# Altium PCB SkayboardAgain.PcbDoc (part 1 of 4) (continued)
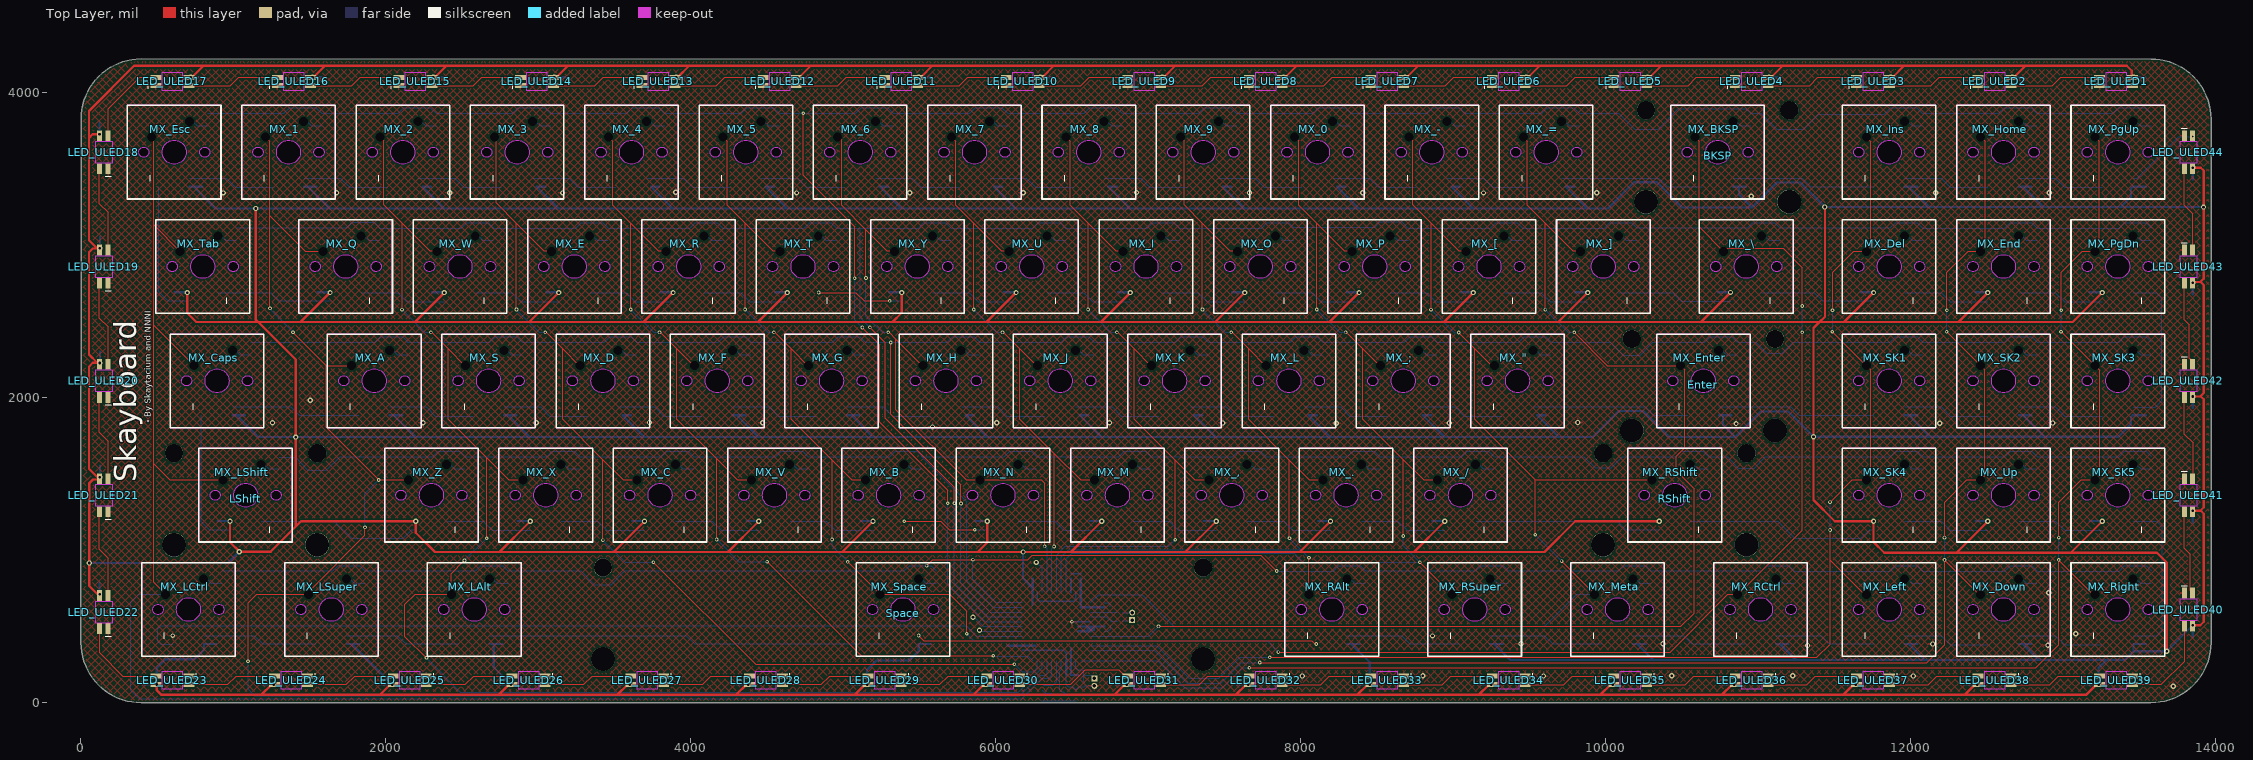
[diagram p0: Top Layer view]
## Design rules (kind name [scope] priority, off if disabled: settings) (continued)
RoomDefinition LCtrl [InComponentClass('LCtrl')] p83: confinementstyle=ConfineIn formatcopy=FALSE lockcomponents=FALSE outline 382.89,289.17 382.89,933.35 1027.06,933.35 1027.06,289.17
RoomDefinition LAlt [InComponentClass('LAlt')] p84: confinementstyle=ConfineIn formatcopy=FALSE lockcomponents=FALSE outline 2257.9,289.17 2257.9,933.35 2902.07,933.35 2902.07,289.17
RoomDefinition L [InComponentClass('L')] p85: confinementstyle=ConfineIn formatcopy=FALSE lockcomponents=FALSE outline 7601.66,1789.17 7601.66,2433.35 8245.83,2433.35 8245.83,1789.17
RoomDefinition K [InComponentClass('K')] p86: confinementstyle=ConfineIn formatcopy=FALSE lockcomponents=FALSE outline 6851.66,1789.17 6851.66,2433.35 7495.83,2433.35 7495.83,1789.17
RoomDefinition J [InComponentClass('J')] p87: confinementstyle=ConfineIn formatcopy=FALSE lockcomponents=FALSE outline 6101.66,1789.17 6101.66,2433.35 6745.83,2433.35 6745.83,1789.17
RoomDefinition Ins [InComponentClass('Ins')] p88: confinementstyle=ConfineIn formatcopy=FALSE lockcomponents=FALSE outline 11539.21,3289.23 11539.21,3933.4 12183.39,3933.4 12183.39,3289.23
RoomDefinition I [InComponentClass('I')] p89: confinementstyle=ConfineIn formatcopy=TRUE lockcomponents=FALSE outline 6664.21,2539.17 6664.21,3183.35 7308.39,3183.35 7308.39,2539.17
RoomDefinition Home [InComponentClass('Home')] p90: confinementstyle=ConfineIn formatcopy=FALSE lockcomponents=FALSE outline 12289.21,3289.23 12289.21,3933.4 12933.39,3933.4 12933.39,3289.23
RoomDefinition G [InComponentClass('G')] p91: confinementstyle=ConfineIn formatcopy=FALSE lockcomponents=FALSE outline 4601.66,1789.17 4601.66,2433.35 5245.83,2433.35 5245.83,1789.17
RoomDefinition F [InComponentClass('F')] p92: confinementstyle=ConfineIn formatcopy=FALSE lockcomponents=FALSE outline 3851.66,1789.17 3851.66,2433.35 4495.83,2433.35 4495.83,1789.17
RoomDefinition Esc [InComponentClass('Esc')] p93: confinementstyle=ConfineIn formatcopy=FALSE lockcomponents=FALSE outline 289.2,3289.23 289.2,3933.4 933.37,3933.4 933.37,3289.23
RoomDefinition Enter [InComponentClass('Enter')] p94: confinementstyle=ConfineIn formatcopy=FALSE lockcomponents=FALSE outline 10320.4,1789.17 10320.4,2433.35 10964.57,2433.35 10964.57,1789.17
RoomDefinition End [InComponentClass('End')] p95: confinementstyle=ConfineIn formatcopy=TRUE lockcomponents=FALSE outline 12289.21,2539.17 12289.21,3183.35 12933.39,3183.35 12933.39,2539.17
RoomDefinition E [InComponentClass('E')] p96: confinementstyle=ConfineIn formatcopy=TRUE lockcomponents=FALSE outline 2914.2,2539.17 2914.2,3183.35 3558.37,3183.35 3558.37,2539.17
RoomDefinition Down [InComponentClass('Down')] p97: confinementstyle=ConfineIn formatcopy=FALSE lockcomponents=FALSE outline 12289.21,289.17 12289.21,933.35 12933.39,933.35 12933.39,289.17
RoomDefinition Del [InComponentClass('Del')] p98: confinementstyle=ConfineIn formatcopy=TRUE lockcomponents=FALSE outline 11539.21,2539.17 11539.21,3183.35 12183.39,3183.35 12183.39,2539.17
RoomDefinition D [InComponentClass('D')] p99: confinementstyle=ConfineIn formatcopy=FALSE lockcomponents=FALSE outline 3101.65,1789.17 3101.65,2433.35 3745.82,2433.35 3745.82,1789.17
RoomDefinition Caps [InComponentClass('Caps')] p100: confinementstyle=ConfineIn formatcopy=FALSE lockcomponents=FALSE outline 570.39,1789.17 570.39,2433.35 1214.56,2433.35 1214.56,1789.17
RoomDefinition C [InComponentClass('C')] p101: confinementstyle=ConfineIn formatcopy=TRUE lockcomponents=FALSE outline 3476.66,1039.17 3476.66,1683.35 4120.83,1683.35 4120.83,1039.17
RoomDefinition BKSP [InComponentClass('BKSP')] p102: confinementstyle=ConfineIn formatcopy=FALSE lockcomponents=FALSE outline 10414.21,3289.23 10414.21,3933.4 11058.39,3933.4 11058.39,3289.23
RoomDefinition A [InComponentClass('A')] p103: confinementstyle=ConfineIn formatcopy=FALSE lockcomponents=FALSE outline 1601.65,1789.17 1601.65,2433.35 2245.82,2433.35 2245.82,1789.17
RoomDefinition = [InComponentClass('=')] p104: confinementstyle=ConfineIn formatcopy=FALSE lockcomponents=FALSE outline 9289.21,3289.23 9289.21,3933.4 9933.39,3933.4 9933.39,3289.23
RoomDefinition ; [InComponentClass(';')] p105: confinementstyle=ConfineIn formatcopy=FALSE lockcomponents=FALSE outline 8351.66,1789.17 8351.66,2433.35 8995.83,2433.35 8995.83,1789.17
RoomDefinition 9 [InComponentClass('9')] p106: confinementstyle=ConfineIn formatcopy=FALSE lockcomponents=FALSE outline 7039.21,3289.23 7039.21,3933.4 7683.39,3933.4 7683.39,3289.23
RoomDefinition 8 [InComponentClass('8')] p107: confinementstyle=ConfineIn formatcopy=FALSE lockcomponents=FALSE outline 6289.14,3289.23 6289.14,3933.4 6933.31,3933.4 6933.31,3289.23
RoomDefinition 7 [InComponentClass('7')] p108: confinementstyle=ConfineIn formatcopy=FALSE lockcomponents=FALSE outline 5539.14,3289.23 5539.14,3933.4 6183.31,3933.4 6183.31,3289.23
RoomDefinition 6 [InComponentClass('6')] p109: confinementstyle=ConfineIn formatcopy=FALSE lockcomponents=FALSE outline 4789.21,3289.23 4789.21,3933.4 5433.39,3933.4 5433.39,3289.23
RoomDefinition 5 [InComponentClass('5')] p110: confinementstyle=ConfineIn formatcopy=FALSE lockcomponents=FALSE outline 4039.14,3289.23 4039.14,3933.4 4683.31,3933.4 4683.31,3289.23
RoomDefinition 4 [InComponentClass('4')] p111: confinementstyle=ConfineIn formatcopy=FALSE lockcomponents=FALSE outline 3289.06,3289.23 3289.06,3933.4 3933.23,3933.4 3933.23,3289.23
RoomDefinition 3 [InComponentClass('3')] p112: confinementstyle=ConfineIn formatcopy=FALSE lockcomponents=FALSE outline 2539.12,3289.23 2539.12,3933.4 3183.3,3933.4 3183.3,3289.23
RoomDefinition 2 [InComponentClass('2')] p113: confinementstyle=ConfineIn formatcopy=FALSE lockcomponents=FALSE outline 1789.12,3289.23 1789.12,3933.4 2433.3,3933.4 2433.3,3289.23
RoomDefinition 1 [InComponentClass('1')] p114: confinementstyle=ConfineIn formatcopy=FALSE lockcomponents=FALSE outline 1039.12,3289.23 1039.12,3933.4 1683.3,3933.4 1683.3,3289.23
RoomDefinition 0 [InComponentClass('0')] p115: confinementstyle=ConfineIn formatcopy=FALSE lockcomponents=FALSE outline 7789.21,3289.23 7789.21,3933.4 8433.39,3933.4 8433.39,3289.23
RoomDefinition / [InComponentClass('/')] p116: confinementstyle=ConfineIn formatcopy=TRUE lockcomponents=FALSE outline 8726.66,1039.17 8726.66,1683.35 9370.83,1683.35 9370.83,1039.17
RoomDefinition . [InComponentClass('.')] p117: confinementstyle=ConfineIn formatcopy=TRUE lockcomponents=FALSE outline 7976.66,1039.17 7976.66,1683.35 8620.83,1683.35 8620.83,1039.17
RoomDefinition - [InComponentClass('-')] p118: confinementstyle=ConfineIn formatcopy=FALSE lockcomponents=FALSE outline 8539.21,3289.23 8539.21,3933.4 9183.39,3933.4 9183.39,3289.23
RoomDefinition , [InComponentClass(',')] p119: confinementstyle=ConfineIn formatcopy=TRUE lockcomponents=FALSE outline 7226.66,1039.17 7226.66,1683.35 7870.83,1683.35 7870.83,1039.17
RoomDefinition "\"" [InComponentClass('"')] p120: confinementstyle=ConfineIn formatcopy=FALSE lockcomponents=FALSE outline 9101.66,1789.17 9101.66,2433.35 9745.83,2433.35 9745.83,1789.17
RoomDefinition Skayboard [InComponentClass('Skayboard')] p121: confinementstyle=ConfineIn formatcopy=TRUE lockcomponents=FALSE outline 6022.52,347.27 6022.52,400.73 6105.55,400.73 6105.55,794.45 6215.27,794.45 6215.27,872.48 6467.27,872.48 6520.73,872.48 6586.73,872.48 6586.73,794.45 6694.45,794.45 6694.45,684.48 6739.73,684.48 6739.73,652.02 6780.88,652.02 6780.88,640.37 6945.37,640.37 6945.37,491.63 6780.73,491.63 6780.73,477.52 6739.73,477.52 6739.73,441.52 6697.37,441.52 6697.37,60.63 6556.67,60.63 6556.67,18.94 6504.87,18.94 6504.87,12.91 6335.13,12.91 6335.13,49.61 6281.33,49.61 6281.33,205.55 6105.55,205.55 6105.55,347.27
RoutingVias [All] p1: holewidth=12 width=24 viastyle="Through Hole" minholewidth=12 minwidth=24 maxholewidth=28 maxwidth=50
SolderMaskExpansion [All] p1: expansion=4 istentingtop=FALSE
UnRoutedNet [All] p1: checkbadconnections=TRUE
Width [All] p1: maxlimit=100 minlimit=5 preferedwidth=7.5 minimp=50.000000 maximp=50.000000 favimp=50.000000
28 further rules are at their usual default settings.

## Classes and differential pairs
channel class ULED: ULED1 ULED2 ULED3 ULED4 ULED5 ULED6 ULED7 ULED8 ULED9 ULED10 ULED11 ULED12 ULED13 ULED14 ULED15 ULED16 ULED17 ULED18 ULED19 ULED20 ULED21 ULED22 ULED23 ULED24 ULED25 ULED26 ULED27 ULED28 ULED29 ULED30 ULED31 ULED32 ULED33 ULED34 ULED35 ULED36 ULED37 ULED38 ULED39 ULED40 ULED41 ULED42 ULED43 ULED44
channel class Skey: 0 1 2 3 4 5 6 7 8 9 "\"" , - . / ; = [ \ ] A B BKSP C Caps D Del Down E End Enter Esc F G H Home I Ins J K L LAlt LCtrl Left LShift LSuper M Meta N O P PgDn PgUp Q R RAlt RCtrl Right RShift RSuper S SK1 SK2 SK3 SK4 SK5 Space T Tab U Up V W X Y Z
component class ULED44: C_ULED44 LED_ULED44
component class ULED43: C_ULED43 LED_ULED43
component class ULED42: C_ULED42 LED_ULED42
component class ULED41: C_ULED41 LED_ULED41
component class ULED40: C_ULED40 LED_ULED40
component class ULED39: C_ULED39 LED_ULED39
component class ULED38: C_ULED38 LED_ULED38
component class ULED37: C_ULED37 LED_ULED37
component class ULED36: C_ULED36 LED_ULED36
component class ULED35: C_ULED35 LED_ULED35
component class ULED34: C_ULED34 LED_ULED34
component class ULED33: C_ULED33 LED_ULED33
component class ULED32: C_ULED32 LED_ULED32
component class ULED31: C_ULED31 LED_ULED31
component class ULED30: C_ULED30 LED_ULED30
component class ULED29: C_ULED29 LED_ULED29
component class ULED28: C_ULED28 LED_ULED28
component class ULED27: C_ULED27 LED_ULED27
component class ULED26: C_ULED26 LED_ULED26
component class ULED25: C_ULED25 LED_ULED25
component class ULED24: C_ULED24 LED_ULED24
component class ULED23: C_ULED23 LED_ULED23
component class ULED22: C_ULED22 LED_ULED22
component class ULED21: C_ULED21 LED_ULED21
component class ULED20: C_ULED20 LED_ULED20
component class ULED19: C_ULED19 LED_ULED19
component class ULED18: C_ULED18 LED_ULED18
component class ULED17: C_ULED17 LED_ULED17
component class ULED16: C_ULED16 LED_ULED16
component class ULED15: C_ULED15 LED_ULED15
component class ULED14: C_ULED14 LED_ULED14
component class ULED13: C_ULED13 LED_ULED13
component class ULED12: C_ULED12 LED_ULED12
component class ULED11: C_ULED11 LED_ULED11
component class ULED10: C_ULED10 LED_ULED10
component class ULED9: C_ULED9 LED_ULED9
component class ULED8: C_ULED8 LED_ULED8
component class ULED7: C_ULED7 LED_ULED7
component class ULED6: C_ULED6 LED_ULED6
component class ULED5: 90 C_ULED5 LED_ULED5
component class ULED4: 90 C_ULED4 LED_ULED4
component class ULED3: 90 C_ULED3 LED_ULED3
component class ULED2: 90 C_ULED2 LED_ULED2
component class ULED1: C_ULED1 LED_ULED1
component class Esc: C_Esc D_Esc LED_Esc MX_Esc
component class 1: C_1 D_1 LED_1 MX_1
component class 2: C_2 D_2 LED_2 MX_2
component class 3: C_3 D_3 LED_3 MX_3
component class 4: C_4 D_4 LED_4 MX_4
component class 5: C_5 D_5 LED_5 MX_5
component class 6: C_6 D_6 LED_6 MX_6
component class 7: C_7 D_7 LED_7 MX_7
component class 8: C_8 D_8 LED_8 MX_8
component class 9: C_9 D_9 LED_9 MX_9
component class 0: C_0 D_0 LED_0 MX_0
component class -: C_- D_- LED_- MX_-
component class =: C_= D_= LED_= MX_=
component class BKSP: C_BKSP D_BKSP LED_BKSP MX_BKSP
component class Ins: C_Ins D_Ins LED_Ins MX_Ins
component class Home: C_Home D_Home LED_Home MX_Home
component class PgUp: C_PgUp D_PgUp LED_PgUp MX_PgUp
component class Q: C_Q D_Q LED_Q MX_Q
component class W: C_W D_W LED_W MX_W
component class E: C_E D_E LED_E MX_E
component class R: C_R D_R LED_R MX_R
component class T: C_T D_T LED_T MX_T
component class Y: C_Y D_Y LED_Y MX_Y
component class U: C_U D_U LED_U MX_U
component class I: C_I D_I LED_I MX_I
component class O: C_O D_O LED_O MX_O
component class P: C_P D_P LED_P MX_P
component class [: C_[ D_[ LED_[ MX_[
component class ]: C_] D_] LED_] MX_]
component class \: C_\ D_\ LED_\ MX_\
component class Del: C_Del D_Del LED_Del MX_Del
component class End: C_End D_End LED_End MX_End
component class PgDn: C_PgDn D_PgDn LED_PgDn MX_PgDn
component class A: C_A D_A LED_A MX_A
component class S: C_S D_S LED_S MX_S
component class D: C_D D_D LED_D MX_D
component class F: C_F D_F LED_F MX_F
component class G: C_G D_G LED_G MX_G
component class H: C_H D_H LED_H MX_H
component class J: C_J D_J LED_J MX_J
component class K: C_K D_K LED_K MX_K
component class L: C_L D_L LED_L MX_L
component class ;: C_; D_; LED_; MX_;
component class "\"": "C_\"" "D_\"" "LED_\"" "MX_\""
component class Enter: C_Enter D_Enter LED_Enter MX_Enter
component class RCtrl: C_RCtrl D_RCtrl LED_RCtrl MX_RCtrl
component class SK1: C_SK1 D_SK1 LED_SK1 MX_SK1
component class SK2: C_SK2 D_SK2 LED_SK2 MX_SK2
component class SK3: C_SK3 D_SK3 LED_SK3 MX_SK3
component class Z: C_Z D_Z LED_Z MX_Z
component class X: C_X D_X LED_X MX_X
component class C: C_C D_C LED_C MX_C
component class V: C_V D_V LED_V MX_V
component class B: C_B D_B LED_B MX_B
component class N: C_N D_N LED_N MX_N
component class M: C_M D_M LED_M MX_M
component class ,: C_, D_, LED_, MX_,
component class .: C_. D_. LED_. MX_.
component class /: C_/ D_/ LED_/ MX_/
component class RShift: C_RShift D_RShift LED_RShift MX_RShift
component class SK4: C_SK4 D_SK4 LED_SK4 MX_SK4
component class Up: C_Up D_Up LED_Up MX_Up
component class SK5: C_SK5 D_SK5 LED_SK5 MX_SK5
component class LSuper: C_LSuper D_LSuper LED_LSuper MX_LSuper
component class LAlt: C_LAlt D_LAlt LED_LAlt MX_LAlt
component class Space: C_Space D_Space LED_Space MX_Space
component class RAlt: C_RAlt D_RAlt LED_RAlt MX_RAlt
component class RSuper: C_RSuper D_RSuper LED_RSuper MX_RSuper
component class Meta: C_Meta D_Meta LED_Meta MX_Meta
component class Left: C_Left D_Left LED_Left MX_Left
component class Down: C_Down D_Down LED_Down MX_Down
component class Right: C_Right D_Right LED_Right MX_Right
component class Tab: C_Tab D_Tab LED_Tab MX_Tab
component class Caps: C_Caps D_Caps LED_Caps MX_Caps
component class LShift: C_LShift D_LShift LED_LShift MX_LShift
component class LCtrl: C_LCtrl D_LCtrl LED_LCtrl MX_LCtrl
component class Skayboard: *1 C2 C3 C4 C5 C6 C7 C8 C9 C10 C11 c11 C12 C13 R1 R2 R3 RST1 U1 USB1 X1 XTAL

## Components (designator, comment, footprint, x,y, rotation, side; value= is the part's Value field where it differs from the comment)
BKSP "2UStab" 2UStab 10736.3,3611.31 r0 top locked
C2 "100nF" CAPC1005X55X30LL05T10 6494,830 r90 bottom
C3 "47pF" CAPC1005X55X25LL05T10 6754.15,609.54 r90 bottom
C4 "47pF" CAPC1005X55X25LL05T10 6754,520 r90 bottom
C5 "22pF" CAPC1005X56X25NL10T15 6310,98 r90 bottom
C6 "22pF" CAPC1005X56X25NL10T15 6526,67.32 r270 bottom
C7 "100nF" CAPC1005X55X30LL05T10 6242.69,830 r270 bottom
C8 "100nF" CAPC1005X55X30LL05T10 6560,830 r270 bottom
C9 "100nF" CAPC1005X55X30LL05T10 6065,374 r0 bottom
C10 "100nF" CAPC1005X55X30LL05T10 6713,642 r270 bottom
C11 "100nF" CAPC1005X55X30LL05T10 6713,484 r90 bottom
C12 "100nF" CAPC1005X55X30LL05T10 6479,182 r0 bottom
C13 "100nF" CAPC1005X55X30LL05T10 6580,120 r90 bottom
C_0 "100nF" CAPC1005X55X30LL05T10 8310.02,3385 r0 bottom (schematic designator C)
C_1 "100nF" CAPC1005X55X30LL05T10 1559.93,3385 r0 bottom (schematic designator C)
C_2 "100nF" CAPC1005X55X30LL05T10 2309.93,3385 r0 bottom (schematic designator C)
C_3 "100nF" CAPC1005X55X30LL05T10 3059.93,3385 r0 bottom (schematic designator C)
C_4 "100nF" CAPC1005X55X30LL05T10 3809.86,3385 r0 bottom (schematic designator C)
C_5 "100nF" CAPC1005X55X30LL05T10 4559.94,3385 r0 bottom (schematic designator C)
C_6 "100nF" CAPC1005X55X30LL05T10 5310.02,3385 r0 bottom (schematic designator C)
C_7 "100nF" CAPC1005X55X30LL05T10 6059.94,3385 r0 bottom (schematic designator C)
C_8 "100nF" CAPC1005X55X30LL05T10 6809.94,3385 r0 bottom (schematic designator C)
C_9 "100nF" CAPC1005X55X30LL05T10 7560.02,3385 r0 bottom (schematic designator C)
"C_\"" "100nF" CAPC1005X55X30LL05T10 9622.46,1884.95 r0 bottom (schematic designator C)
C_, "100nF" CAPC1005X55X30LL05T10 7365.01,1207 r90 bottom (schematic designator C)
C_- "100nF" CAPC1005X55X30LL05T10 9060.02,3385 r0 bottom (schematic designator C)
C_. "100nF" CAPC1005X55X30LL05T10 8115.01,1207 r90 bottom (schematic designator C)
C_/ "100nF" CAPC1005X55X30LL05T10 8865.01,1207 r90 bottom (schematic designator C)
C_; "100nF" CAPC1005X55X30LL05T10 8872.46,1884.95 r0 bottom (schematic designator C)
C_= "100nF" CAPC1005X55X30LL05T10 9810.02,3385 r0 bottom (schematic designator C)
C_[ "100nF" CAPC1005X55X30LL05T10 9052.57,2707 r90 bottom (schematic designator C)
C_\ "100nF" CAPC1005X55X30LL05T10 10740.01,2707 r90 bottom (schematic designator C)
C_] "100nF" CAPC1005X55X30LL05T10 9802.57,2707 r90 bottom (schematic designator C)
C_A "100nF" CAPC1005X55X30LL05T10 2122.45,1884.95 r0 bottom (schematic designator C)
C_B "100nF" CAPC1005X55X30LL05T10 5114.06,1206.65 r90 bottom (schematic designator C)
C_BKSP "100nF" CAPC1005X55X30LL05T10 10935.02,3385 r0 bottom (schematic designator C)
C_C "100nF" CAPC1005X55X30LL05T10 3615.01,1207 r90 bottom (schematic designator C)
C_Caps "100nF" CAPC1005X55X30LL05T10 1091.19,1884.95 r0 bottom (schematic designator C)
C_D "100nF" CAPC1005X55X30LL05T10 3622.45,1884.95 r0 bottom (schematic designator C)
C_Del "100nF" CAPC1005X55X30LL05T10 11677.57,2707 r90 bottom (schematic designator C)
C_Down "100nF" CAPC1005X55X30LL05T10 12810.02,384.95 r0 bottom (schematic designator C)
C_E "100nF" CAPC1005X55X30LL05T10 3052.56,2707 r90 bottom (schematic designator C)
C_End "100nF" CAPC1005X55X30LL05T10 12427.57,2707 r90 bottom (schematic designator C)
C_Enter "100nF" CAPC1005X55X30LL05T10 10841.2,1884.95 r0 bottom (schematic designator C)
C_Esc "100nF" CAPC1005X55X30LL05T10 810,3385 r0 bottom (schematic designator C)
C_F "100nF" CAPC1005X55X30LL05T10 4372.46,1884.95 r0 bottom (schematic designator C)
C_G "100nF" CAPC1005X55X30LL05T10 5122.46,1884.95 r0 bottom (schematic designator C)
C_H "100nF" CAPC1005X55X30LL05T10 5872.46,1884.95 r0 bottom (schematic designator C)
C_Home "100nF" CAPC1005X55X30LL05T10 12810.02,3385 r0 bottom (schematic designator C)
C_I "100nF" CAPC1005X55X30LL05T10 6802.57,2707 r90 bottom (schematic designator C)
C_Ins "100nF" CAPC1005X55X30LL05T10 12060.02,3385 r0 bottom (schematic designator C)
C_J "100nF" CAPC1005X55X30LL05T10 6622.46,1884.95 r0 bottom (schematic designator C)
C_K "100nF" CAPC1005X55X30LL05T10 7372.46,1884.95 r0 bottom (schematic designator C)
C_L "100nF" CAPC1005X55X30LL05T10 8122.46,1884.95 r0 bottom (schematic designator C)
C_LAlt "100nF" CAPC1005X55X30LL05T10 2778.7,384.95 r0 bottom (schematic designator C)
C_LCtrl "100nF" CAPC1005X55X30LL05T10 903.69,384.95 r0 bottom (schematic designator C)
C_Left "100nF" CAPC1005X55X30LL05T10 12060.02,384.95 r0 bottom (schematic designator C)
C_LShift "100nF" CAPC1005X55X30LL05T10 896.25,1207 r90 bottom (schematic designator C)
C_LSuper "100nF" CAPC1005X55X30LL05T10 1841.2,384.95 r0 bottom (schematic designator C)
C_M "100nF" CAPC1005X55X30LL05T10 6615.01,1207 r90 bottom (schematic designator C)
C_Meta "100nF" CAPC1005X55X30LL05T10 10278.72,384.95 r0 bottom (schematic designator C)
C_N "100nF" CAPC1005X55X30LL05T10 5864.23,1206.65 r90 bottom (schematic designator C)
C_O "100nF" CAPC1005X55X30LL05T10 7552.57,2707 r90 bottom (schematic designator C)
C_P "100nF" CAPC1005X55X30LL05T10 8302.57,2707 r90 bottom (schematic designator C)
C_PgDn "100nF" CAPC1005X55X30LL05T10 13177.57,2707 r90 bottom (schematic designator C)
C_PgUp "100nF" CAPC1005X55X30LL05T10 13560.02,3385 r0 bottom (schematic designator C)
C_Q "100nF" CAPC1005X55X30LL05T10 1552.56,2707 r90 bottom (schematic designator C)
C_R "100nF" CAPC1005X55X30LL05T10 3802.57,2707 r90 bottom (schematic designator C)
C_RAlt "100nF" CAPC1005X55X30LL05T10 8403.72,384.95 r0 bottom (schematic designator C)
C_RCtrl "100nF" CAPC1005X55X30LL05T10 11216.2,384.95 r0 bottom (schematic designator C)
C_Right "100nF" CAPC1005X55X30LL05T10 13560.02,384.95 r0 bottom (schematic designator C)
C_RShift "100nF" CAPC1005X55X30LL05T10 10271.27,1207 r90 bottom (schematic designator C)
C_RSuper "100nF" CAPC1005X55X30LL05T10 9341.2,384.95 r0 bottom (schematic designator C)
C_S "100nF" CAPC1005X55X30LL05T10 2872.45,1884.95 r0 bottom (schematic designator C)
C_SK1 "100nF" CAPC1005X55X30LL05T10 12060.02,1884.95 r0 bottom (schematic designator C)
C_SK2 "100nF" CAPC1005X55X30LL05T10 12810.02,1884.95 r0 bottom (schematic designator C)
C_SK3 "100nF" CAPC1005X55X30LL05T10 13560.02,1884.95 r0 bottom (schematic designator C)
C_SK4 "100nF" CAPC1005X55X30LL05T10 11677.57,1207 r90 bottom (schematic designator C)
C_SK5 "100nF" CAPC1005X55X30LL05T10 13177.57,1207 r90 bottom (schematic designator C)
C_Space "100nF" CAPC1005X55X30LL05T10 5591.2,384.95 r0 bottom (schematic designator C)
C_T "100nF" CAPC1005X55X30LL05T10 4552.57,2707 r90 bottom (schematic designator C)
C_Tab "100nF" CAPC1005X55X30LL05T10 615,2707 r90 bottom (schematic designator C)
C_U "100nF" CAPC1005X55X30LL05T10 6052.57,2707 r90 bottom (schematic designator C)
C_ULED1 "100nF" CAPC1005X55X30LL05T10 13556.67,4102.72 r0 bottom (schematic designator C)
C_ULED2 "100nF" CAPC1005X55X30LL05T10 12759.96,4102.28 r0 bottom (schematic designator C)
C_ULED3 "100nF" CAPC1005X55X30LL05T10 11963.08,4102.28 r0 bottom (schematic designator C)
C_ULED4 "100nF" CAPC1005X55X30LL05T10 11164.67,4102.62 r0 bottom (schematic designator C)
C_ULED5 "100nF" CAPC1005X55X30LL05T10 10368.45,4101.66 r0 bottom (schematic designator C)
C_ULED6 "100nF" CAPC1005X55X30LL05T10 9572.99,4101.38 r0 bottom (schematic designator C)
C_ULED7 "100nF" CAPC1005X55X30LL05T10 8777.46,4101.46 r0 bottom (schematic designator C)
C_ULED8 "100nF" CAPC1005X55X30LL05T10 7979.67,4101.72 r0 bottom (schematic designator C)
C_ULED9 "100nF" CAPC1005X55X30LL05T10 7184.15,4103.05 r0 bottom (schematic designator C)
C_ULED10 "100nF" CAPC1005X55X30LL05T10 6384.67,4102.72 r0 bottom (schematic designator C)
C_ULED11 "100nF" CAPC1005X55X30LL05T10 5587.67,4102.72 r0 bottom (schematic designator C)
C_ULED12 "100nF" CAPC1005X55X30LL05T10 4791.67,4099.72 r0 bottom (schematic designator C)
C_ULED13 "100nF" CAPC1005X55X30LL05T10 3996.67,4103.72 r0 bottom (schematic designator C)
C_ULED14 "100nF" CAPC1005X55X30LL05T10 3196.67,4101.72 r0 bottom (schematic designator C)
C_ULED15 "100nF" CAPC1005X55X30LL05T10 2402.67,4103.72 r0 bottom (schematic designator C)
C_ULED16 "100nF" CAPC1005X55X30LL05T10 1603.67,4102.72 r0 bottom (schematic designator C)
C_ULED17 "100nF" CAPC1005X55X30LL05T10 804.67,4102.72 r0 bottom (schematic designator C)
C_ULED18 "100nF" CAPC1005X55X30LL05T10 121.62,3821.46 r90 bottom (schematic designator C)
C_ULED19 "100nF" CAPC1005X55X30LL05T10 124.28,3072.67 r90 bottom (schematic designator C)
C_ULED20 "100nF" CAPC1005X55X30LL05T10 124.28,2319.67 r90 bottom (schematic designator C)
C_ULED21 "100nF" CAPC1005X55X30LL05T10 124.28,1570.67 r90 bottom (schematic designator C)
C_ULED22 "100nF" CAPC1005X55X30LL05T10 122.24,803.82 r90 bottom (schematic designator C)
C_ULED23 "100nF" CAPC1005X55X30LL05T10 392.33,119.28 r180 bottom (schematic designator C)
C_ULED24 "100nF" CAPC1005X55X30LL05T10 1171.74,119.72 r180 bottom (schematic designator C)
C_ULED25 "100nF" CAPC1005X55X30LL05T10 1950.31,119.72 r180 bottom (schematic designator C)
C_ULED26 "100nF" CAPC1005X55X30LL05T10 2728.88,119.72 r180 bottom (schematic designator C)
C_ULED27 "100nF" CAPC1005X55X30LL05T10 3507.45,119.72 r180 bottom (schematic designator C)
C_ULED28 "100nF" CAPC1005X55X30LL05T10 4286.03,119.72 r180 bottom (schematic designator C)
C_ULED29 "100nF" CAPC1005X55X30LL05T10 5064.6,119.72 r180 bottom (schematic designator C)
C_ULED30 "100nF" CAPC1005X55X30LL05T10 5843.17,119.72 r180 bottom (schematic designator C)
C_ULED31 "100nF" CAPC1005X55X30LL05T10 6768.17,119.72 r180 bottom (schematic designator C)
C_ULED32 "100nF" CAPC1005X55X30LL05T10 7580.28,104.48 r270 bottom (schematic designator C)
C_ULED33 "100nF" CAPC1005X55X30LL05T10 8361.92,119.72 r180 bottom (schematic designator C)
C_ULED34 "100nF" CAPC1005X55X30LL05T10 9158.79,119.72 r180 bottom (schematic designator C)
C_ULED35 "100nF" CAPC1005X55X30LL05T10 9955.67,119.72 r180 bottom (schematic designator C)
C_ULED36 "100nF" CAPC1005X55X30LL05T10 10748.87,119.72 r180 bottom (schematic designator C)
C_ULED37 "100nF" CAPC1005X55X30LL05T10 11549.42,119.72 r180 bottom (schematic designator C)
C_ULED38 "100nF" CAPC1005X55X30LL05T10 12346.29,119.72 r180 bottom (schematic designator C)
C_ULED39 "100nF" CAPC1005X55X30LL05T10 13143.61,119.28 r180 bottom (schematic designator C)
C_ULED40 "100nF" CAPC1005X55X30LL05T10 13852.28,417.23 r270 bottom (schematic designator C)
C_ULED41 "100nF" CAPC1005X55X30LL05T10 13852.28,1167.23 r270 bottom (schematic designator C)
C_ULED42 "100nF" CAPC1005X55X30LL05T10 13852.28,1917.23 r270 bottom (schematic designator C)
C_ULED43 "100nF" CAPC1005X55X30LL05T10 13852,2662.95 r270 bottom (schematic designator C)
C_ULED44 "100nF" CAPC1005X55X30LL05T10 13852,3417 r270 bottom (schematic designator C)
C_Up "100nF" CAPC1005X55X30LL05T10 12427.57,1207 r90 bottom (schematic designator C)
C_V "100nF" CAPC1005X55X30LL05T10 4365.01,1207 r90 bottom (schematic designator C)
C_W "100nF" CAPC1005X55X30LL05T10 2302.56,2707 r90 bottom (schematic designator C)
C_X "100nF" CAPC1005X55X30LL05T10 2865,1207 r90 bottom (schematic designator C)
C_Y "100nF" CAPC1005X55X30LL05T10 5302.57,2707 r90 bottom (schematic designator C)
C_Z "100nF" CAPC1005X55X30LL05T10 2115,1207 r90 bottom (schematic designator C)
D_0 "1N4148WS" DIOD-SOD323-2-A_V 8330.02,3825 r90 bottom (schematic designator D)
D_1 "1N4148WS" DIOD-SOD323-2-A_V 1579.93,3825 r90 bottom (schematic designator D)
D_2 "1N4148WS" DIOD-SOD323-2-A_V 2329.93,3825 r90 bottom (schematic designator D)
D_3 "1N4148WS" DIOD-SOD323-2-A_V 3079.93,3825 r90 bottom (schematic designator D)
D_4 "1N4148WS" DIOD-SOD323-2-A_V 3829.86,3825 r90 bottom (schematic designator D)
D_5 "1N4148WS" DIOD-SOD323-2-A_V 4579.94,3825 r90 bottom (schematic designator D)
D_6 "1N4148WS" DIOD-SOD323-2-A_V 5330.02,3825 r90 bottom (schematic designator D)
D_7 "1N4148WS" DIOD-SOD323-2-A_V 6079.94,3825 r90 bottom (schematic designator D)
D_8 "1N4148WS" DIOD-SOD323-2-A_V 6829.94,3825 r90 bottom (schematic designator D)
D_9 "1N4148WS" DIOD-SOD323-2-A_V 7580.02,3825 r90 bottom (schematic designator D)
"D_\"" "1N4148WS" DIOD-SOD323-2-A_V 9642.46,2324.95 r90 bottom (schematic designator D)
D_, "1N4148WS" DIOD-SOD323-2-A_V 7767.46,1574.95 r90 bottom (schematic designator D)
D_- "1N4148WS" DIOD-SOD323-2-A_V 9080.02,3825 r90 bottom (schematic designator D)
D_. "1N4148WS" DIOD-SOD323-2-A_V 8517.46,1574.95 r90 bottom (schematic designator D)
D_/ "1N4148WS" DIOD-SOD323-2-A_V 9267.46,1574.95 r90 bottom (schematic designator D)
D_; "1N4148WS" DIOD-SOD323-2-A_V 8892.46,2324.95 r90 bottom (schematic designator D)
D_= "1N4148WS" DIOD-SOD323-2-A_V 9830.02,3825 r90 bottom (schematic designator D)
D_[ "1N4148WS" DIOD-SOD323-2-A_V 9455.02,3074.95 r90 bottom (schematic designator D)
D_\ "1N4148WS" DIOD-SOD323-2-A_V 11142.46,3074.95 r90 bottom (schematic designator D)
D_] "1N4148WS" DIOD-SOD323-2-A_V 10205.02,3074.95 r90 bottom (schematic designator D)
D_A "1N4148WS" DIOD-SOD323-2-A_V 2142.45,2324.95 r90 bottom (schematic designator D)
D_B "1N4148WS" DIOD-SOD323-2-A_V 5516.5,1574.59 r90 bottom (schematic designator D)
D_BKSP "1N4148WS" DIOD-SOD323-2-A_V 10955.02,3825 r90 bottom (schematic designator D)
D_C "1N4148WS" DIOD-SOD323-2-A_V 4017.46,1574.95 r90 bottom (schematic designator D)
D_Caps "1N4148WS" DIOD-SOD323-2-A_V 1111.19,2324.95 r90 bottom (schematic designator D)
D_D "1N4148WS" DIOD-SOD323-2-A_V 3642.45,2324.95 r90 bottom (schematic designator D)
D_Del "1N4148WS" DIOD-SOD323-2-A_V 12080.02,3074.95 r90 bottom (schematic designator D)
D_Down "1N4148WS" DIOD-SOD323-2-A_V 12830.02,824.95 r90 bottom (schematic designator D)
D_E "1N4148WS" DIOD-SOD323-2-A_V 3455,3074.95 r90 bottom (schematic designator D)
D_End "1N4148WS" DIOD-SOD323-2-A_V 12830.02,3074.95 r90 bottom (schematic designator D)
D_Enter "1N4148WS" DIOD-SOD323-2-A_V 10861.2,2324.95 r90 bottom (schematic designator D)
D_Esc "1N4148WS" DIOD-SOD323-2-A_V 830,3825 r90 bottom (schematic designator D)
D_F "1N4148WS" DIOD-SOD323-2-A_V 4392.46,2324.95 r90 bottom (schematic designator D)
D_G "1N4148WS" DIOD-SOD323-2-A_V 5142.46,2324.95 r90 bottom (schematic designator D)
D_H "1N4148WS" DIOD-SOD323-2-A_V 5892.46,2324.95 r90 bottom (schematic designator D)
D_Home "1N4148WS" DIOD-SOD323-2-A_V 12830.02,3825 r90 bottom (schematic designator D)
D_I "1N4148WS" DIOD-SOD323-2-A_V 7205.02,3074.95 r90 bottom (schematic designator D)
D_Ins "1N4148WS" DIOD-SOD323-2-A_V 12080.02,3825 r90 bottom (schematic designator D)
D_J "1N4148WS" DIOD-SOD323-2-A_V 6642.46,2324.95 r90 bottom (schematic designator D)